# Altium PCB fyFly _cp1.PcbDoc (continued)
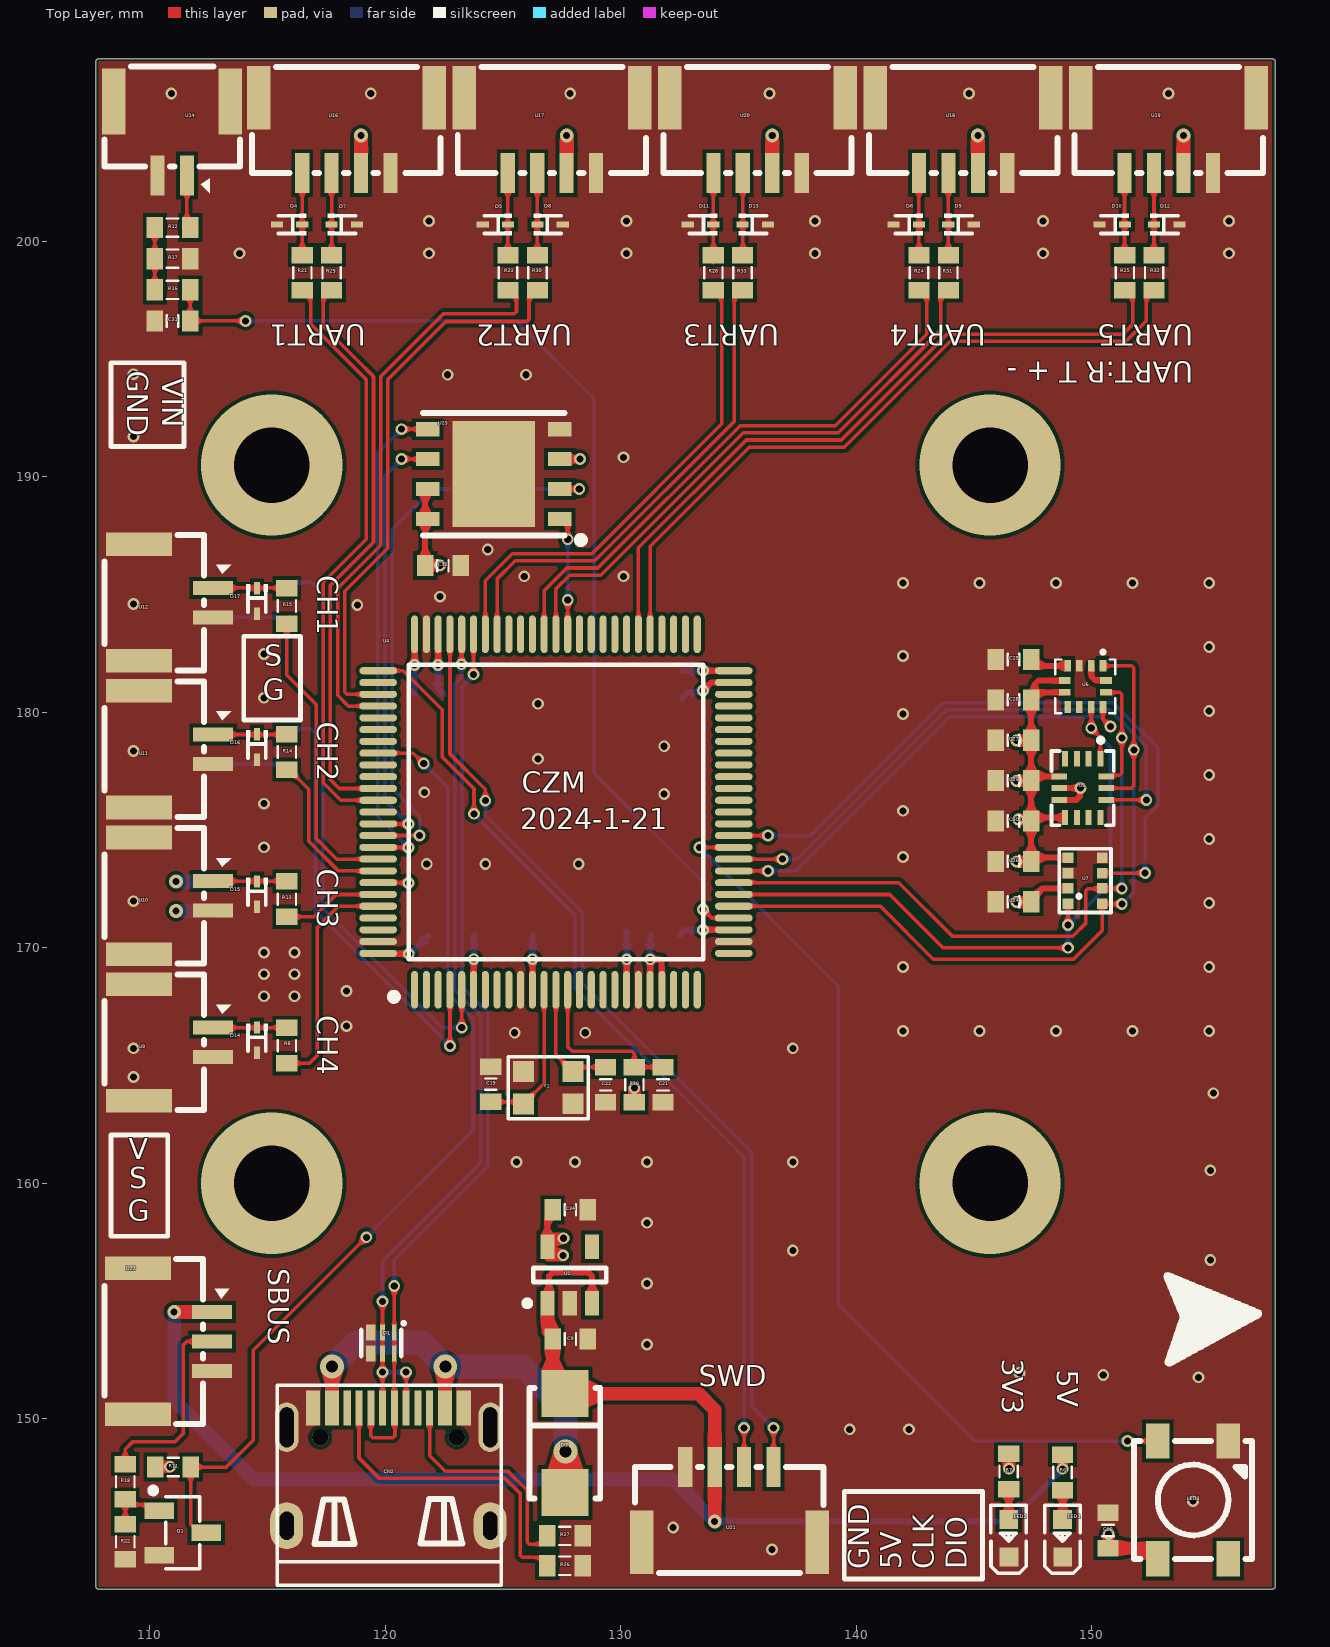
[diagram p0: Top Layer view]
## Components (designator, comment, footprint, x,y, rotation, side; value= is the part's Value field where it differs from the comment)
C9 "1uF" 0603-C 127.864,153.391 r270 top
C10 "100nF" 0603-C 150.698,145.263 r0 top
C11 "10uF" 0603-C 124.054,171.298 r180 bottom
C12 "100nF" 0603-C 130.073,171.298 r180 bottom
C13 "100nF" 0603-C 126.289,171.298 r180 bottom
C14 "100nF" 0603-C 132.512,171.298 r180 bottom
C15 "100nF" 0603-C 120.98,180.035 r0 bottom
C16 "100nF" 0603-C 131.877,181.762 r270 bottom
C17 "100nF" 0603-C 131.293,171.298 r180 bottom
C18 "100nF" 0603-C 121.971,171.298 r180 bottom
C19 "22pF" 0603-C 124.485,164.211 r0 top
C20 "2.2uF" 0603-C 131.877,180.543 r90 bottom
C21 "100nF" 0603-C 131.801,164.186 r180 top
C22 "22pF" 0603-C 129.362,164.186 r180 top
C23 "2.2uF" 0603-C 122.199,180.035 r180 bottom
C24 "100nF" 0603-C 146.685,171.958 r270 top
C25 "100nF" 0603-C 146.685,182.245 r90 top
C26 "100nF" 0603-C 146.685,173.672 r270 top
C27 "1uF" 0603-C 146.685,178.816 r90 top
C28 "100nF" 0603-C 146.685,180.531 r90 top
C29 "10nF" 0603-C 146.685,177.102 r90 top
C30 "10nF" 0603-C 146.685,175.387 r90 top
C31 "100nF" 0603-C 110.973,196.621 r90 top
C32 "100nF" 0603-C 122.453,186.233 r90 top
C34 "1uF" 0603-C 127.864,158.877 r270 top
CN2 "Type-c" "Type-c 16pin" 120.396,147.701 r0 top locked
D1 "ESD-USB-2P" SLP2510P8-2P 119.388,153.22 r180 top
D2 "SS34" SS34-SMA 127.635,148.971 r270 top
D4 "ESD9X5.0ST5G" ESD9X5.0ST5G 115.944,200.711 r180 top
D5 "ESD9X5.0ST5G" ESD9X5.0ST5G 124.682,200.711 r180 top
D6 "ESD9X5.0ST5G" ESD9X5.0ST5G 142.132,200.711 r180 top
D7 "ESD9X5.0ST5G" ESD9X5.0ST5G 118.269,200.711 r0 top
D8 "ESD9X5.0ST5G" ESD9X5.0ST5G 127.007,200.711 r0 top
D9 "ESD9X5.0ST5G" ESD9X5.0ST5G 144.456,200.711 r0 top
D10 "ESD9X5.0ST5G" ESD9X5.0ST5G 150.876,200.711 r180 top
D11 "ESD9X5.0ST5G" ESD9X5.0ST5G 133.394,200.711 r180 top
D12 "ESD9X5.0ST5G" ESD9X5.0ST5G 153.194,200.711 r0 top
D13 "ESD9X5.0ST5G" ESD9X5.0ST5G 135.719,200.711 r0 top
D14 "ESD9X5.0ST5G" ESD9X5.0ST5G 114.554,166.084 r270 top
D15 "ESD9X5.0ST5G" ESD9X5.0ST5G 114.554,172.282 r270 top
D16 "ESD9X5.0ST5G" ESD9X5.0ST5G 114.554,178.53 r270 top
D17 "ESD9X5.0ST5G" ESD9X5.0ST5G 114.554,184.728 r270 top
D18 "ESD9X5.0ST5G" ESD9X5.0ST5G 114.554,178.34 r90 bottom
D19 "ESD9X5.0ST5G" ESD9X5.0ST5G 114.554,184.563 r90 bottom
LED1 "LED" LED-0603 148.768,144.932 r90 top
LED2 "LED" LED-0603 146.482,144.932 r90 top
LED3 "WS2812B-5050" WS2812B-5050 154.305,146.558 r0 top
Q1 "NMOS" SOT23-3M 111.252,145.161 r0 top
R6 "4.7K" 0603-R 148.768,147.726 r0 top
R7 "4.7K" 0603-R 146.478,147.764 r0 top
R8 "1K" 0603-R 115.824,165.849 r180 top
R9 "10K" 0603-R 119.71,173.507 r180 bottom
R10 "10K" 0603-R 130.581,164.186 r0 top
R11 "10K" 0603-R 110.998,147.955 r270 top
R12 "10K" 0603-R 110.973,200.584 r90 top
R13 "1K" 0603-R 115.824,172.072 r180 top
R14 "1K" 0603-R 115.824,178.32 r180 top
R15 "1K" 0603-R 115.824,184.518 r180 top
R16 "1K" 0603-R 110.973,197.942 r90 top
R17 "1K" 0603-R 110.973,199.263 r270 top
R18 "1K" 0603-R 108.966,147.332 r0 top
R19 "1K" 0603-R 115.824,178.55 r180 bottom
R20 "1K" 0603-R 115.824,184.773 r180 bottom
R21 "1K" 0603-R 116.484,198.665 r180 top
R22 "10K" 0603-R 108.966,144.78 r180 top
R23 "1K" 0603-R 125.222,198.665 r180 top
R24 "1K" 0603-R 142.672,198.665 r180 top
R25 "1K" 0603-R 151.409,198.665 r180 top
R26 "5.1K" 0603-R 127.635,143.764 r90 top
R27 "5.1K" 0603-R 127.635,145.034 r90 top
R28 "1K" 0603-R 133.934,198.665 r180 top
R29 "1K" 0603-R 117.729,198.665 r180 top
R30 "1K" 0603-R 126.467,198.665 r180 top
R31 "1K" 0603-R 143.916,198.665 r180 top
R32 "1K" 0603-R 152.654,198.665 r180 top
R33 "1K" 0603-R 135.179,198.665 r180 top
U2 "XC6228D332VR-G" XC6228D332VR-G 127.838,156.108 r90 top
U4 "STM32F407VET6" STM32F407VET6 127.254,175.768 r0 top locked
U5 "ICM-42670-P" ICM42670P 149.622,176.784 r270 top
U6 "LIS3MDLTR" LIS3MDLTR 149.733,181.102 r180 top
U7 "spl06_001" SPL06 149.733,172.847 r90 top
U8 "GH1.25-4P" CONN-SMD_GH1.25-4PWBPZ 111.125,170.942 r270 bottom locked
U9 "GH1.25-2P" GH1.25-2P 111.125,165.989 r270 top locked
U10 "GH1.25-2P" GH1.25-2P 111.125,172.212 r270 top locked
U11 "GH1.25-2P" GH1.25-2P 111.125,178.435 r270 top locked
U12 "GH1.25-2P" GH1.25-2P 111.125,184.658 r270 top locked
U14 "GH1.25-2P" GH1.25-2P 110.958,204.372 r180 top locked
U16 "GH1.25-4P" CONN-SMD_GH1.25-4PWBPZ 118.355,204.495 r0 top locked
U17 "GH1.25-4P" CONN-SMD_GH1.25-4PWBPZ 127.085,204.495 r0 top locked
U18 "GH1.25-4P" CONN-SMD_GH1.25-4PWBPZ 144.543,204.495 r0 top locked
U19 "GH1.25-4P" CONN-SMD_GH1.25-4PWBPZ 153.272,204.495 r0 top locked
U20 "GH1.25-4P" CONN-SMD_GH1.25-4PWBPZ 135.814,204.495 r0 top locked
U21 "GH1.25-4P" CONN-SMD_GH1.25-4PWBPZ 134.62,146.355 r180 top
U22 "GH1.25-3P" GH1.25-3P 111.074,153.289 r270 top locked
U23 "W25Q16" W25QXX_WSON_8_5*6mm 124.612,190.119 r180 top
U24 "GH1.25-2P" GH1.25-2P 111.125,178.435 r90 bottom locked
U26 "GH1.25-2P" GH1.25-2P 111.125,184.658 r90 bottom locked
Y1 "12MHZ" 3225 126.898,164.033 r0 top

## Footprints (in the part's own frame and the unit in brackets; to place one, negate y for a bottom-side part, rotate by r counter-clockwise, add the part's x,y. Pads: shape width x height; smd on the part's side, far side on the other; paste and mask are expansions set on the pad)
0603-C [mm]
  rect 0.9x0.7 smd: 1(0,0.75) 2(0,-0.75)
  silkscreen extent -0.24,-0.24 0.24,0.24, body extent -0.41,-0.8 0.41,0.8, height 0.84
0603-R [mm]
  rect 0.9x0.7 smd: 1(0,0.75) 2(0,-0.75)
  silkscreen extent -0.39,-0.24 0.39,0.24, body extent -0.4,-0.8 0.4,0.8, height 0.45
3225 [mil]
  rect 35x35 smd: 1(-40.24,-25.97) 2(42.36,-25.67) 3(42.16,28.03) 4(-40.44,28.03)
  silkscreen extent -66,-51 68,53, body extent -63,-47 63,51, height 24
CONN-SMD_GH1.25-4PWBPZ [mm]
  rect 0.6x1.7 smd: 1(-1.875,-1.601) 2(-0.625,-1.601) 3(0.625,-1.601) 4(1.875,-1.601)
  rect 1x2.7 smd: 5(-3.725,1.601) 6(3.725,1.601)
  silkscreen extent -4,-1.6 4,2.9, body extent -4.13,-2.05 4.13,2.95, height 4.35
ESD9X5.0ST5G [mm]
  rect 0.52x0.26 smd: 1(-0.54,0) 2(0.54,0)
  silkscreen extent -0.7,-0.45 0.48,0.45
GH1.25-2P [mm]
  rect 0.6x1.7 smd paste+0 mask+0.05: 1(-0.625,1.575) 2(0.625,1.575)
  rect 1x2.8 smd paste+0 mask+0.05: 3(2.475,-1.575) 4(-2.475,-1.575)
  silkscreen extent -2.87,-3.05 2.87,2.34, body extent -2.91,-3.07 2.85,1.93, height 4.35
GH1.25-3P [mm]
  rect 0.6x1.7 smd paste+0 mask+0.05: 1(-1.25,1.575) 2(0,1.575) 3(1.25,1.575)
  rect 1x2.8 smd paste+0 mask+0.05: 4(3.1,-1.575) 5(-3.1,-1.575)
  silkscreen extent -3.5,-3 3.5,2.31, body extent -3.5,-2.88 3.5,2.12, height 4.35
ICM42670P [mm]
  rect 0.65x0.25 smd: 1(-1.25,0.75) 2(-1.25,0.25) 3(-1.25,-0.25) 4(-1.25,-0.75) 8(1.25,-0.75) 9(1.25,-0.25) 10(1.25,0.25) 11(1.25,0.75)
  rect 0.25x0.65 smd: 5(-0.5,-1) 6(0,-1) 7(0.5,-1) 12(0.5,1) 13(0,1) 14(-0.5,1)
  silkscreen extent -2.13,-1.33 1.58,1.33, body extent -1.5,-1.25 1.5,1.25, height 0.87
LED-0603 [mm]
  rect 0.8x0.8 smd: 1(-0.799,-0.003) 2(0.799,0.004)
  silkscreen extent -1.49,-0.75 1.39,0.76
LIS3MDLTR [mm]
  rect 0.28x0.5 smd: 1(-0.75,-0.875) 2(-0.25,-0.875) 3(0.25,-0.875) 4(0.75,-0.875) 7(0.75,0.875) 8(0.25,0.875) 9(-0.25,0.875) 10(-0.75,0.875)
  rect 0.5x0.28 smd: 5(0.875,-0.25) 6(0.875,0.25) 11(-0.875,0.25) 12(-0.875,-0.25)
  silkscreen extent -1.27,-1.53 1.27,1.14, body extent -1,-1 1,1, height 1.02
SLP2510P8-2P [mm]
  rect 0.201x0.681 smd mask+0.051: 1(-1.001,-0.439) 2(-0.5,-0.439) 9(-0.5,0.439) 10(-1.001,0.439)
  rect 0.399x0.681 smd mask+0.051: 3(0,-0.439) 8(0,0.439)
  silkscreen extent -1.44,-0.88 0.41,0.55
SOT23-3M [mm] "SOT23, 3-Leads, Body 2.9x1.3mm, Pitch 0.95mm, Lead Span 2.4mm, IPC Low Density"
  rect 1.25x0.7 smd mask+0.051: 1(-0.847,0.948) 2(-0.847,-0.952) 3(1.153,-0.002)
  silkscreen extent -1.22,-1.53 0.88,1.92, body extent -1.4,-1.45 1.4,1.45, height 1.2
SPL06 [mm]
  rect 0.45x0.45 smd: 1(0.98,-0.713) 2(0.33,-0.713) 3(-0.32,-0.713) 4(-0.97,-0.713) 5(-0.97,0.737) 6(-0.32,0.737) 7(0.33,0.737) 8(0.98,0.737)
  silkscreen extent -1.34,-1.09 1.35,1.11, body extent -1.25,-1 1.25,1, height 0.96
SS34-SMA [mm]
  rect 2x2 smd: 1(2.1,0) 2(-2.1,0)
  silkscreen extent -2.35,-1.5 2.35,1.5, body extent -2.74,-1.38 2.76,1.42, height 2.6
STM32F407VET6 [mm]
  oval 0.3x1.6 smd paste-100 mask+0.051: 1(-6,-7.55) 2(-5.5,-7.55) 3(-5,-7.55) 4(-4.5,-7.55) 5(-4,-7.55) 6(-3.5,-7.55) 7(-3,-7.55) 8(-2.5,-7.55) 9(-2,-7.55) 10(-1.5,-7.55) 11(-1,-7.55) 12(-0.5,-7.55) 13(0,-7.55) 14(0.5,-7.55) 15(1,-7.55) 16(1.5,-7.55) 17(2,-7.55) 18(2.5,-7.55) 19(3,-7.55) 20(3.5,-7.55) 21(4,-7.55) 22(4.5,-7.55) 23(5,-7.55) 24(5.5,-7.55) 25(6,-7.55) 51(6,7.55) 52(5.5,7.55) 53(5,7.55) 54(4.5,7.55) 55(4,7.55) 56(3.5,7.55) 57(3,7.55) 58(2.5,7.55) 59(2,7.55) 60(1.5,7.55) 61(1,7.55) 62(0.5,7.55) 63(0,7.55) 64(-0.5,7.55) 65(-1,7.55) 66(-1.5,7.55) 67(-2,7.55) 68(-2.5,7.55) 69(-3,7.55) 70(-3.5,7.55) 71(-4,7.55) 72(-4.5,7.55) 73(-5,7.55) 74(-5.5,7.55) 75(-6,7.55)
  oval 1.6x0.3 smd paste-100 mask+0.051: 26(7.55,-6) 27(7.55,-5.5) 28(7.55,-5) 29(7.55,-4.5) 30(7.55,-4) 31(7.55,-3.5) 32(7.55,-3) 33(7.55,-2.5) 34(7.55,-2) 35(7.55,-1.5) 36(7.55,-1) 37(7.55,-0.5) 38(7.55,0) 39(7.55,0.5) 40(7.55,1) 41(7.55,1.5) 42(7.55,2) 43(7.55,2.5) 44(7.55,3) 45(7.55,3.5) 46(7.55,4) 47(7.55,4.5) 48(7.55,5) 49(7.55,5.5) 50(7.55,6) 76(-7.55,6) 77(-7.55,5.5) 78(-7.55,5) 79(-7.55,4.5) 80(-7.55,4) 81(-7.55,3.5) 82(-7.55,3) 83(-7.55,2.5) 84(-7.55,2) 85(-7.55,1.5) 86(-7.55,1) 87(-7.55,0.5) 88(-7.55,0) 89(-7.55,-0.5) 90(-7.55,-1) 91(-7.55,-1.5) 92(-7.55,-2) 93(-7.55,-2.5) 94(-7.55,-3) 95(-7.55,-3.5) 96(-7.55,-4) 97(-7.55,-4.5) 98(-7.55,-5) 99(-7.55,-5.5) 100(-7.55,-6)
  silkscreen extent -7.03,-8 6.25,6.25, body extent -8,-8 8,8, height 1.5
"Type-c 16pin" [mm]
  oval 1.4x2 hole 0.6 slot 1.2 at 90 deg: 0(-4.574,-2.239) 0(4.066,-2.239)
  oval 1x2.1 hole 0.6 slot 1.7 at 90 deg: 0(-4.574,1.941) 0(4.066,1.941)
  rect 0.3x1.5 smd: A1(-3.604,2.761) A4(-2.804,2.761) A5(-1.504,2.761) A6(-0.504,2.761) A7(-0.004,2.761) A8(0.996,2.761) A9(2.296,2.761) A12(3.096,2.761) B1(2.796,2.761) B4(1.996,2.761) B5(1.496,2.761) B6(0.496,2.761) B7(-1.004,2.761) B8(-2.004,2.761) B9(-2.504,2.761) B12(-3.304,2.761)
  round 0.7 hole 0.7: D(-3.154,1.511) D(2.646,1.511)
  silkscreen extent -4.97,-4.77 4.53,3.72, body extent -4.75,-4.79 4.19,2.79, height 3.26
W25QXX_WSON_8_5*6mm [mm]
  rect 1x0.6 smd: 1(-2.8,1.905) 2(-2.8,0.635) 3(-2.8,-0.635) 4(-2.8,-1.905) 5(2.8,-1.905) 6(2.8,-0.635) 7(2.8,0.635) 8(2.8,1.905)
  rect 3.5x4.5 smd: 9(0,0)
  silkscreen extent -3.85,-2.6 3,2.95, body extent -3.03,-2.47 2.97,2.53, height 0.7
WS2812B-5050 [mm]
  rect 1x1.5 smd: 1(-1.5,-2.5) 2(1.5,-2.5) 3(1.5,2.5) 4(-1.5,2.5)
  silkscreen extent -2.5,-2.5 2.5,2.5, body extent -2.5,-2.7 2.5,2.7, height 1.57
XC6228D332VR-G [mm] "SOT23, 5-Leads, Body 2.9x1.6mm, Pitch 0.95mm, IPC Medium Density"
  rect 1.05x0.6 smd: 1(-1.2,0.95) 2(-1.2,0) 3(-1.2,-0.95) 4(1.2,-0.95) 5(1.2,0.95)
  silkscreen extent -1.32,-1.55 0.3,1.92, body extent -1.4,-1.45 1.4,1.45, height 1.2

## Part data
C9 C10 C11 C12 C13 C14 C15 C16 C17 C18 C19 C20 C21 C22 C23 C24 C25 C26 C27 C28 C29 C30 C31 C32 C34: library part C, "贴片电容", BOM名称=无极性贴片电容, 联系卖家，免费查找封装=唯一出售店铺网址https://shop463601444.taobao.com
CN2: "U262-161N-4BVC11"
D1: "RClamp0522PATCT", Breakdown Voltage (VBR)=6V, Clamping Voltage@Ipp=15V, JLCPCB Part Class="Extended Part", Junction Capacitance(Cj)@1MHz=0.8pF@1MHz, LCSC Part Name=RClamp0524PATCT, Manufacturer=SEMTECH, Operating Temperature=-55℃~+125℃@(Tj), Peak Pulse Power(Ppp)@8/20us=150W, Reverse Stand-Off Voltage (Vrwm)=5V, Add into BOM=yes, Convert to PCB=yes, Datasheet=https://atta.szlcsc.com/upload/public/pdf/source/20150124/1457707260739.pdf, Device=RClamp0524PATCT_C40960, Manufacturer Part=RClamp0524PATCT, Name=RClamp0524PATCT, Supplier=LCSC, Supplier Footprint=SLP2510P8, Supplier Part=C40960, Symbol=RClamp0524PATCT
D2 LED1 LED2: BOM_JLCPCB Part Class="Extended Part", BOM_Manufacturer="Wuxi ARK Tech Elec", BOM_Manufacturer Part=D-G060306G1-KS2, BOM_Supplier=LCSC, BOM_Supplier Part=C118334, Contributor=LCSC, spicePre=L, spiceSymbolName=D-G060306G1-KS2
D4 D5 D6 D7 D8 D9 D10 D11 D12 D13 D14 D15 D16 D17 D18 D19: JLCPCB Part Class="Extended Part", Manufacturer=MSKSEMI(美森科), Add into BOM=yes, Convert to PCB=yes, Datasheet=https://atta.szlcsc.com/upload/public/pdf/source/20220429/68E9B40153609821FAF30C4C48AA4713.pdf, Device=ESD9X5.0ST5G_C3008066, LCSC Part Name=ESD9X5.0ST5G, Manufacturer Part=ESD9X5.0ST5G, Name=ESD9X5.0ST5G, Supplier=LCSC, Supplier Footprint=SOD-923, Supplier Part=C3008066, Symbol=ESD9X5.0ST5G_C3008066
LED3: Color Temperature=-, Emitted Color=RGB三色, JLCPCB Part Class="Extended Part", LCSC Part Name="RGB三色 正贴 幻彩", Lens Color=无色透明, Manufacturer=XINGLIGHT(成兴光), Manufacturer Part=XL-5050RGBC-WS2812B, Operating Temperature=-30℃~+70℃, Add into BOM=yes, Convert to PCB=yes, Datasheet=https://atta.szlcsc.com/upload/public/pdf/source/20230111/86AAD2096485A2E5BCAB883FF8CBE6FD.pdf, Device=XL-5050RGBC-WS2812B, Diode Configuration=-, Dominant Wavelength=-, Forward Current=-, Mounting Sytle=正贴, Name=XL-5050RGBC-WS2812B, Peak Wavelength=625nm；470nm；530nm, Power Dissipation=-, Supplier=LCSC, Supplier Footprint=SMD5050, Supplier Part=C2843785, Symbol=XL-5050RGBC-WS2812B, Viewing Angle=120°
Q1: library part AO3400, "N沟道 30V/4.2A", BOM名称=场效应管, 参数="N沟道 30V/4.2A", 联系卖家，免费查找封装=唯一出售店铺网址https://shop463601444.taobao.com
R6 R7 R8 R9 R10 R11 R12 R13 R14 R15 R16 R17 R18 R19 R20 R21 R22 R23 R24 R25 R26 R27 R28 R29 R30 R31 R32 R33: library part R, "贴片电阻", BOM名称=贴片电阻, 联系卖家，免费查找封装=唯一出售店铺网址https://shop463601444.taobao.com
U2: "输出类型：固定 输出极性：正 输出通道数：1 最大输入电压：5.5V 输出电压：3.3V 压差：305mV@(300mA) 输出电流：300mA 电源纹波抑制比(PSRR)：80dB@(1kHz) 3.3V固定输出，Iout=300mA，Vin=5.5V(Max)", BOM_JLCPCB Part Class="Extended Part", BOM_Manufacturer=TOREX, BOM_Manufacturer Part=XC6228D332VR-G, BOM_Supplier=LCSC, BOM_Supplier Part=C69841, spicePre=U, spiceSymbolName=XC6228D332VR-G
U4: JLCPCB Part Class="Extended Part", Low-Voltage Detect=有, Manufacturer=ST(意法半导体), Operating Temperature Range=-40℃~+85℃, Operating Voltage Range=1.8V~3.6V, ADC (Bit)=12bit, Add into BOM=yes, CCP Capture/Compare=-, communication protocol=-, Convert to PCB=yes, CPU Core="ARM Cortex-M4", CPU Maximum Speed=168MHz, DAC (Bit)=12bit, Datasheet=https://atta.szlcsc.com/upload/public/pdf/source/20140801/1457707197138.pdf, Device=STM32F407VET6, Direct Memory Access=有, EEPROM=-, GPIO Ports Number=82, image=http://image.lceda.cn/szlcsc/C28730.jpg, Infrared Data Association=有, Internal Comparator=-, Internal Oscillator=有, LCD Module=有, LCSC Part Name=STM32F407VET6, Manufacturer Part=STM32F407VET6, Name=STM32F407VET6, Peripheral/Function=DMA；LCD/LED驱动；PWM, Program Memory Type=FLASH, Program Storage Size=512KB, PWM (Bit)=-, RAM Size=192KB, Real-Time Clock=-, Secure Digital Input and Output=-, Supplier=LCSC, Supplier Footprint=LQFP-100(14x14), Supplier Part=C28730, Symbol=STM32F407VET6, tags=STM32, Universal Serial Bus=有, Watchdog=有
U5: JLCPCB Part Class=扩展库, Manufacturer="TDK InvenSense(应美盛)", Operating Temperature=-40℃~+85℃, Add into BOM=yes, Convert to PCB=yes, Datasheet=/pdf/applyPasteComponent/2023-06-06/453894A/f777f4f41a0e4ea2b93b88a9675b1ac5/ICM-42670-P.pdf, Device=ICM-42670-P, LCSC Part Name=ICM-42670-P, Manufacturer Part=ICM-42670-P, Name=ICM-42670-P, Sensor Type=加速度计陀螺仪, Supplier=LCSC, Supplier Footprint=LGA-14(2.5x3), Supplier Part=C3288646, Symbol=ICM-42670-P
U6: JLCPCB Part Class="Extended Part", LCSC Part Name=三轴数字磁传感器, Manufacturer=ST(意法半导体), Operating Temperature=-40℃~+85℃, supply voltage=1.9V~3.6V, Add into BOM=yes, Convert to PCB=yes, Datasheet=https://atta.szlcsc.com/upload/public/pdf/source/20191231/C478483_325C07DDDEF2D93C2E541FB70AD6AC5C.pdf, Device=LIS3MDLTR, Manufacturer Part=LIS3MDLTR, Supplier=LCSC, Supplier Footprint=LGA-12(2x2), Supplier Part=C478483, Symbol=LIS3MDLTR
U7: library part SPL06_001, "气压计"
U8 U16 U17 U18 U19 U20 U21: "GH1.25-4PWBPZ", BOM_Manufacturer=BOOMELE(博穆精密), BOM_Manufacturer Part=GH1.25-4PWBPZ, BOM_Supplier=LCSC, BOM_Supplier Part=C2829253, Contributor=LCSC, spicePre=U, spiceSymbolName=GH1.25-4PWBPZ
U9 U10 U11 U12 U14 U24 U26: Current Rating (Max)=1A, LCSC Part Name=BX-GH1.25-2PWT, Manufacturer=Bossie(博锡), Operating Temperature Range=-25℃~+85℃, Add into BOM=yes, Contact Material=磷铜, Contact Plating=锡, Convert to PCB=yes, Datasheet=https://atta.szlcsc.com/upload/public/pdf/source/20231017/25DD0A5C9398B9B8D9D2789B9E1BDAD3.pdf, Device=BX-GH1.25-2PWT, Manufacturer Part=BX-GH1.25-2PWT, Mounting Style=卧贴, Number of Pins=2P, Number of PINs Per Row=2, Number of Rows=1, Pins Structure=1x2P, Pitch=1.25mm, Reference Series=GH, Row Spacing=-, Supplier=LCSC, Supplier Footprint=SMD,P=1.25mm,卧贴, Supplier Part=C18077718, Symbol=BX-GH1.25-2PWT
U22: Current Rating (Max)=1A, LCSC Part Name=BX-GH1.25-3PWT, Manufacturer=Bossie(博锡), Operating Temperature Range=-25℃~+85℃, Add into BOM=yes, Contact Material=磷铜, Contact Plating=锡, Convert to PCB=yes, Datasheet=https://atta.szlcsc.com/upload/public/pdf/source/20231017/A589687BD41735CD2F726065058FB819.pdf, Device=BX-GH1.25-3PWT, Manufacturer Part=BX-GH1.25-3PWT, Mounting Style=卧贴, Number of Pins=3P, Number of PINs Per Row=3, Number of Rows=1, Pins Structure=1x3P, Pitch=1.25mm, Reference Series=GH, Row Spacing=-, Supplier=LCSC, Supplier Footprint=SMD,P=1.25mm,卧贴, Supplier Part=C18077719, Symbol=BX-GH1.25-3PWT
U23: library part W25Q256, BOM_JLCPCB Part Class="Extended Part", BOM_Manufacturer=WINBOND(华邦), BOM_Manufacturer Part=W25Q256JVEIQ, BOM_Supplier=LCSC, BOM_Supplier Part=C2682312, Contributor=LCSC, spicePre=U, spiceSymbolName=W25Q256JVEIQ
Y1: library part Y, "无源晶振"

## Via types
v1: diameter 0.5, hole 0.3, Top Layer to Bottom Layer, tented both sides, 160 vias
v2: diameter 0.584, hole 0.3, Top Layer to Bottom Layer, tented both sides, 9 vias
v3: diameter 6, hole 3.2, Top Layer to Bottom Layer, 4 vias
v4: diameter 1.016, hole 0.508, Top Layer to Bottom Layer, tented both sides, 3 vias

## Nets (pads, with @x,y where several pads share a name; then routed paths per layer and width w, separated by ;. In a path a pad name is that pad's centre, name@x,y a point inside that pad or via, vN(x,y) a via of type N, cw(c..) or ccw(c..) an arc to the next point about the centre after c; other vN are vias at no path point)
BOOT0: R9.2 U4.94 | length 2.4
  Top Layer w0.152: U4.94 119.71,172.763 120.991,172.763 v1(120.997,172.757)
  Bottom Layer w0.152: R9.2@119.81,172.757 R9.2@119.857,172.71 ; R9.2@119.947,172.757 v1(120.997,172.757)
GND: C9.1 C10.1 C11.1 C12.1 C13.1 C14.1 C15.1 C16.1 C17.1 C18.1 C19.1 C20.2 C21.1 C22.1 C23.2 C24.2 C25.1 C26.2 C27.1 C28.1 C29.1 C30.1 C31.1 C32.2 C34.1 CN2.0 CN2.A1 CN2.A12 CN2.B1 CN2.B12 D1.3 D1.8 D4.2 D5.2 D6.2 D7.2 D8.2 D9.2 D10.2 D11.2 D12.2 D13.2 D14.2 D15.2 D16.2 D17.2 D18.2 D19.2 LED1.1 LED2.1 LED3.3 Q1.2 R9.1 R17.1 R22.1 R26.2 R27.2 U2.2 U4.10 U4.20 U4.27 U4.74 U4.99 U5.6 U5.7 U6.2 U6.3 U6.12 U7.1 U7.7 U8.3 U8.4 U8.5 U8.6 U9.2 U9.3 U9.4 U10.2 U10.3 U10.4 U11.2 U11.3 U11.4 U12.2 U12.3 U12.4 U14.2 U14.3 U14.4 U16.4 U16.5 U16.6 U17.4 U17.5 U17.6 U18.4 U18.5 U18.6 U19.4 U19.5 U19.6 U20.4 U20.5 U20.6 U21.4 U21.5 U21.6 U22.3 U22.4 U22.5 U23.4 U23.9 U24.2 U24.3 U24.4 U26.2 U26.3 U26.4 Y1.2 Y1.4 | length 3.4
  Top Layer w0.254: U5.7 149.348,176.284 149.497,176.433 149.497,176.751 v1(149.53,176.784) U5.6 ; U6.2 149.996,181.964 149.996,181.514 150.145,181.365 150.595,181.365 U6.12
  other v1: 136.423,144.45 132.232,145.39 154.305,146.507 139.725,149.555 142.24,149.555 154.534,151.765 150.495,151.867 146.939,151.943 131.115,153.162 131.115,155.744 155.042,156.743 137.312,157.15 131.115,158.327 155.042,160.553 125.578,160.909 128.067,160.909 131.115,160.909 137.312,160.909 155.169,163.83 109.322,164.516 109.322,165.735 137.312,165.735 125.501,166.395 128.499,166.395 141.986,166.472 145.237,166.472 148.488,166.472 151.74,166.472 154.991,166.472 118.364,166.675 114.859,167.945 116.154,167.945 118.364,168.173 114.859,168.885 116.154,168.885 141.986,169.189 154.991,169.189 114.859,169.799 116.154,169.799 154.991,171.907 109.322,171.983 121.768,173.558 124.257,173.558 128.219,173.558 141.986,173.863 114.859,174.269 154.991,174.625 141.986,175.819 114.859,176.124 131.851,176.53 121.666,176.606 154.991,177.343 126.492,178.029 109.322,178.359 131.851,178.562 141.986,179.934 154.991,180.061 126.492,180.365 114.859,180.619 141.986,182.397 114.859,182.474 154.991,182.778 118.821,184.556 109.322,184.607 122.326,184.912 141.986,185.496 145.237,185.496 148.488,185.496 151.74,185.496 154.991,185.496 125.908,185.776 130.124,185.776 124.358,186.919 130.124,190.83 109.322,191.719 122.657,194.335 125.984,194.335 109.322,194.361 113.817,199.492 121.869,199.492 130.251,199.492 138.252,199.492 147.93,199.492 155.829,199.492 121.869,200.863 130.251,200.863 138.252,200.863 147.93,200.863 155.829,200.863 110.922,206.273 119.39,206.273 127.859,206.273 136.327,206.273 144.795,206.273 153.264,206.273
ICM42670P_CS: U4.34 U5.12 | length 24.8
  Top Layer w0.152: U4.34 v1(136.874,173.768) ; U5.12 v1(152.324,176.284)
  Bottom Layer w0.152: v1(136.874,173.768) 137.496,173.768 143.84,180.111 150.765,180.111 152.324,178.553 v1(152.324,176.284)
LIS3MD_CS: U4.33 U6.10 | length 19.8
  Top Layer w0.152: U4.33 v1(136.26,173.268) ; U6.10 150.483,179.717 v1(150.8,179.4)
  Bottom Layer w0.152: v1(136.26,173.268) 137.427,173.268 143.966,179.807 150.393,179.807 v1(150.8,179.4)
NetC1_1: 
NetC1_2: 
NetC8_1: 
NetC8_2: 
NetC25_2: C25.2 U6.4 | length 1.7
  Top Layer w0.254: C25.2 147.435,182.2 147.658,181.977 U6.4
NetCN2_A5: CN2.A5 R26.1 | length 13.6
  Top Layer w0.152: CN2.A5 118.892,148.341 119.761,147.472 125.095,147.472 125.73,146.837 125.73,144.209 125.819,144.12 126.611,144.12 126.885,143.846 R26.1
NetCN2_B5: CN2.B5 R27.1 | length 10.1
  Top Layer w0.152: CN2.B5 121.892,148.44 122.555,147.777 125.044,147.777 125.221,147.777 126.035,146.964 126.035,146.787 126.035,144.768 126.124,144.678 126.611,144.678 126.885,144.952 R27.1
NetD4_1: D4.1 R21.2 U16.1 | length 3.5
  Top Layer w0.152: U16.1 116.48,199.42 R21.2
NetD5_1: D5.1 R23.2 U17.1 | length 3.6
  Top Layer w0.152: U17.1 125.21,199.326 R23.2@125.222,199.314
NetD6_1: D6.1 R24.2 U18.1 | length 3.5
  Top Layer w0.152: U18.1 142.668,199.419 R24.2
NetD7_1: D7.1 R29.2 U16.2 | length 3.5
  Top Layer w0.152: R29.2 R29.2 U16.2
NetD8_1: D8.1 R30.2 U17.2 | length 3.6
  Top Layer w0.152: U17.2 126.459,199.321 R30.2@126.467,199.314
NetD9_1: D9.1 R31.2 U18.2 | length 3.5
  Top Layer w0.152: R31.2 143.918,199.417 U18.2
NetD10_1: D10.1 R25.2 U19.1 | length 3.5
  Top Layer w0.152: U19.1 151.397,199.427 R25.2
NetD11_1: D11.1 R28.2 U20.1 | length 3.8
  Top Layer w0.152: R28.2@133.934,199.085 133.939,199.09 U20.1
NetD12_1: D12.1 R32.2 U19.2 | length 3.5
  Top Layer w0.152: U19.2 152.647,199.422 R32.2
NetD13_1: D13.1 R33.2 U20.2 | length 3.5
  Top Layer w0.152: R33.2 135.189,199.425 U20.2
NetD14_1: D14.1 R8.2 U9.1 | length 3.1
  Top Layer w0.152: U9.1 115.809,166.614 R8.2
NetD15_1: D15.1 R13.2 U10.1 | length 3.1
  Top Layer w0.152: U10.1 115.809,172.837 R13.2
NetD16_1: D16.1 R14.2 U11.1 | length 3.1
  Top Layer w0.152: U11.1 115.814,179.06 R14.2
NetD17_1: D17.1 R15.2 U12.1 | length 3.1
  Top Layer w0.152: U12.1 115.809,185.283 R15.2
NetD18_1: D18.1 R19.2 U24.1 | length 3.1
  Bottom Layer w0.152: U24.1 115.814,177.81 R19.2
NetD19_1: D19.1 R20.2 U26.1 | length 3.1
  Bottom Layer w0.152: U26.1 115.814,184.033 R20.2
NetLED1_2: LED1.2 R6.2 | length 1.2
  Top Layer w0.254: LED1.2 148.768,145.735 R6.2
NetLED2_2: LED2.2 R7.2 | length 1.3
  Top Layer w0.254: LED2.2 R7.2
NetQ1_1: Q1.1 R18.2 R22.2 | length 2.7
  Top Layer w0.152: R22.2 R18.2 109.193,146.355 110.159,146.355 Q1.1
NetR1_1: 
NetR12_1: R12.1 R16.1 R17.2 | length 2.6
  Top Layer w0.152: R16.1 R17.2 R12.1
NRST: C21.2 R10.1 U4.14 | length 7.2
  Top Layer w0.152: U4.14 127.754,165.794 127.94,165.608 130.492,165.608 130.581,165.519 R10.1 ; R10.1@130.632,164.936 C21.2@131.851,164.936
OSC_IN: C19.2 U4.12 Y1.1 | length 6.6
  Top Layer w0.152: C19.2 125.789,163.461 Y1.1 126.754,164.252 U4.12
OSC_OUT: C22.2 U4.13 Y1.3 | length 5.3
  Top Layer w0.152: U4.13 127.254,165.46 Y1.3 128.16,164.936 C22.2@129.413,164.936
powerInput: C31.2 R16.2 U4.29 | length 44.9
  Top Layer w0.152: R16.2 C31.2 v1(114.071,196.621) ; v1(133.502,171.628) 133.862,171.268 U4.29
  Bottom Layer w0.152: v1(114.071,196.621) 125.578,196.621 128.88,193.319 128.88,177.406 133.502,172.783 v1(133.502,171.628)
RGB_DATA: LED3.4 U4.35 | length 39.3
  Top Layer w0.152: v1(133.348,174.268) U4.35 ; v1(151.526,149.058) LED3.4
  Bottom Layer w0.152: v1(133.348,174.268) 139.243,168.373 139.243,154.838 145.023,149.058 v1(151.526,149.058)
SBUS_IN: R18.1 U22.2 | length 8.4
  Top Layer w0.152: R18.1 108.966,148.717 109.271,149.022 111.074,149.022 111.43,149.377 111.43,153.137 111.582,153.289 U22.2
SPI1_MISO: U4.31 U5.1 U6.9 U7.5 | length 28.8
  Top Layer w0.152: U4.31 141.422,172.268 143.688,170.002 v1(148.996,170.002) ; v1(148.996,170.967) U7.5 ; U6.9 v1(149.983,179.328) 150.368,178.943 150.368,178.038 U5.1
  Bottom Layer w0.152: v1(148.996,170.002) v1(148.996,170.967) 150.8,172.771 150.8,178.511 v1(149.983,179.328)
SPI1_MOSI: U4.32 U5.14 U6.11 U7.3 | length 30.2
  Top Layer w0.152: U4.32 141.811,172.768 144.09,170.489 149.195,170.489 149.758,171.053 149.758,172.421 149.848,172.51 150.429,172.51 U7.3 150.452,172.522 151.277,172.522 v1(151.282,172.517) ; U6.11 151.193,180.852 151.282,180.763 151.282,177.422 151.193,177.333 150.671,177.333 U5.14
  Bottom Layer w0.152: v1(151.282,172.517) v1(151.282,178.918)
SPI1_SCK: U4.30 U5.13 U6.1 U7.4 | length 33.4
  Top Layer w0.152: U4.30 141.033,171.768 143.277,169.524 149.229,169.524 150.446,170.741 U7.4 150.454,171.869 151.295,171.869 151.303,171.862 v1@151.303,171.851 ; U6.1 151.701,181.977 151.79,181.888 151.79,176.883 151.692,176.784 U5.13
  Bottom Layer w0.152: v1@151.303,171.862 151.304,171.862 151.79,172.348 v1(151.79,178.41)
  other v1: 151.282,171.862
SPI3_MISO: U4.90 U23.2 | length 24.7
  Top Layer w0.152: U4.90 119.709,174.773 121.458,174.773 v1(121.463,174.777) ; U23.2 v1(128.245,189.484)
  Bottom Layer w0.152: v1(121.463,174.777) 121.475,174.79 121.475,175.578 120.302,176.751 120.302,187.764 122.022,189.484 v1(128.245,189.484)
SPI3_MOSI: U4.91 U23.5 | length 21.1
  Top Layer w0.152: U4.91 v1@120.986,174.268 ; v1(120.701,192.024) U23.5
  Bottom Layer w0.152: v1(120.701,192.024) 119.692,191.015 119.692,175.562 v1(120.997,174.257)
SPI3_SCK: U4.89 U23.6 | length 18.6
  Top Layer w0.152: U4.89 v1@120.986,175.268 ; v1(120.701,190.754) U23.6
  Bottom Layer w0.152: v1(120.701,190.754) 119.997,190.05 119.997,176.257 v1(120.997,175.257)
SPL06_CS: U4.36 U7.2 | length 28.5
  Top Layer w0.152: U4.36 v1(136.26,174.768) ; U7.2 v1(152.273,173.177)
  Bottom Layer w0.152: v1(136.26,174.768) 138.065,174.768 143.713,180.416 150.892,180.416 152.802,178.505 152.802,176.043 152.273,175.514 v1(152.273,173.177)
SWCLK: U4.76 U21.2 | length 40.9
  Top Layer w0.152: U4.76 120.771,181.768 122.428,180.111 122.428,178.105 123.774,176.759 v1(123.774,175.692) ; U21.2 v1(135.245,149.621)
  Bottom Layer w0.152: v1@123.774,175.686 126.833,172.626 128.067,171.393 128.067,168.289 135.245,161.11 v1(135.245,149.621)
SWDIO: U4.72 U21.1 | length 41.1
  Top Layer w0.152: U4.72 122.754,178.236 124.257,176.733 v1(124.257,176.251) ; U21.1 v1(136.495,149.621)
  Bottom Layer w0.152: v1(124.257,176.251) 124.257,175.634 128.372,171.519 128.372,168.504 135.56,161.316 135.56,150.557 v1(136.495,149.621)
TIM4_CH1: R15.1 U4.92 | length 12.6
  Top Layer w0.152: R15.1 115.824,181.585 117.069,180.34 117.069,174.65 117.95,173.768 U4.92
TIM4_CH2: R14.1 U4.93 | length 7
  Top Layer w0.152: R14.1 115.924,177.57 116.764,176.73 116.764,174.523 118.019,173.268 U4.93
TIM4_CH3: R13.1 U4.95 | length 4.3
  Top Layer w0.152: R13.1 116.966,171.322 117.912,172.268 U4.95
TIM4_CH4: R8.1 U4.96 | length 9.8
  Top Layer w0.152: R8.1 116.788,165.099 117.119,165.43 117.119,170.866 118.022,171.768 U4.96
TIM9_CH1: R19.1 U4.4 | length 19.3
  Top Layer w0.152: U4.4 122.756,168.216 v1(122.756,165.839)
  Bottom Layer w0.152: R19.1 116.839,179.3 117.043,179.095 117.043,171.552 v1(122.756,165.839)
TIM9_CH2: R20.1 U4.5 | length 24.7
  Top Layer w0.152: v1(123.254,166.612) U4.5
  Bottom Layer w0.152: R20.1 116.864,185.523 117.348,185.039 117.348,171.679 122.415,166.612 v1(123.254,166.612)
UART1_RX: R28.1 U4.69 | length 20.7
  Top Layer w0.152: U4.69 124.254,185.594 125.401,186.741 128.782,186.741 134.29,192.249 134.29,197.642 134.154,197.777 R28.1@134.099,197.777
UART1_TX: R33.1 U4.68 | length 20.8
  Top Layer w0.152: U4.68 124.754,185.663 125.527,186.436 128.908,186.436 134.823,192.351 R33.1@134.823,197.942
UART2_RX: R21.1 U4.87 | length 25.5
  Top Layer w0.152: R21.1 116.566,197.915 116.84,197.642 116.84,196.494 119.202,194.132 119.202,187.35 117.373,185.522 117.373,177.013 118.119,176.268 U4.87
UART2_TX: R29.1 U4.86 | length 24.9
  Top Layer w0.152: R29.1@117.805,197.915 117.647,197.915 117.373,197.642 117.373,196.392 118.794,194.971 119.507,194.258 119.507,187.224 118.794,186.511 117.678,185.395 117.678,177.14 118.05,176.768 U4.86
UART3_RX: R25.1 U4.56 | length 30.2
  Top Layer w0.152: U4.56 130.754,186.989 135.332,191.567 139.371,191.567 143.866,196.063 151.334,196.063 151.74,196.468 151.74,197.642 151.466,197.915 R25.1
UART3_TX: R32.1 U4.55 | length 30.2
  Top Layer w0.152: U4.55 131.254,187.058 135.458,191.262 139.497,191.262 143.993,195.758 151.46,195.758 152.324,196.621 152.324,197.642 152.445,197.763 R32.1@152.654,197.763
UART4_RX: R23.1 U4.79 | length 24.2
  Top Layer w0.152: U4.79 118.436,180.268 117.983,180.721 117.983,185.269 119.812,187.098 119.812,194.259 122.479,196.926 125.488,196.926 125.578,197.015 125.578,197.642 125.304,197.915 R23.1
UART4_TX: R30.1 U4.78 | length 24
  Top Layer w0.152: U4.78 118.377,180.768 118.288,180.857 118.288,185.143 120.117,186.972 120.117,194.133 122.58,196.596 126.022,196.596 126.111,196.685 126.111,197.642 126.283,197.814 R30.1@126.517,197.814
UART5_RX: Q1.3 R11.1 U4.83 | length 41.9
  Top Layer w0.152: Q1.3 112.131,145.433 111.837,145.433 111.748,145.522 R11.1 113.259,147.955 114.402,149.098 114.402,152.908 v1(119.202,157.709) ; U4.83 121.198,178.268 v1(121.641,177.825)
  Bottom Layer w0.152: v1(119.202,157.709) 123.733,162.239 123.733,166.997 122.657,168.073 122.657,176.809 v1(121.641,177.825)
UART6_RX: R24.1 U4.64 | length 24.6
  Top Layer w0.152: U4.64 126.754,185.174 127.711,186.131 129.034,186.131 135.079,192.176 139.118,192.176 143.002,196.06 143.002,197.642 142.728,197.915 R24.1
UART6_TX: R31.1 U4.63 | length 24.7
  Top Layer w0.152: U4.63 127.254,185.243 127.837,185.826 129.16,185.826 135.206,191.872 139.244,191.872 143.586,196.214 143.586,197.642 143.86,197.915 R31.1
USB_FS_D+: CN2.A6 CN2.B6 D1.2 D1.9 U4.71 | length 37.7
  Top Layer w0.152: v1(119.888,154.991) D1.2 119.89,153.658 v1(119.89,151.982) 119.89,150.464 CN2.A6 ; CN2.B6 v1(120.892,151.982) ; v1(123.241,182.042) 123.247,182.048 123.247,183.311 U4.71
  Bottom Layer w0.152: v1(119.888,154.991) 119.888,156.692 124.054,160.857 124.054,167.131 123.773,167.412 123.749,167.412 122.961,168.2 122.961,181.204 123.241,181.483 v1(123.241,182.042) ; v1(119.89,151.982) v1(120.892,151.982)
USB_FS_D-: CN2.A7 CN2.B7 D1.1 D1.10 U4.70 | length 38.6
  Top Layer w0.152: CN2.B7 119.392,149.289 119.481,149.2 120.332,149.2 120.421,149.289 120.421,150.433 CN2.A7 120.39,150.464 120.39,153.658 D1.1 v1(120.388,155.644) ; v1(123.754,181.615) U4.70
  Bottom Layer w0.152: v1(120.388,155.644) 120.388,156.761 124.358,160.731 124.358,167.258 123.266,168.35 123.266,181.077 123.754,181.565 v1(123.754,181.615)
VCAP1: C20.1 U4.49 | length 2.5
  Top Layer w0.254: v1(133.502,180.924) 133.846,181.268 U4.49
  Bottom Layer w0.254: C20.1 132.627,180.643 132.85,180.866 133.378,180.866 133.436,180.924 v1(133.502,180.924)
VCAP2: C23.1 U4.73 | length 2.6
  Top Layer w0.254: v1@122.254,182.026 U4.73
  Bottom Layer w0.254: v1(122.245,182.016) 122.245,181.008 122.468,180.785 C23.1@122.479,180.785
VCC-3.3V#1: C11.2 C12.2 C13.2 C14.2 C15.2 C16.2 C17.2 C18.2 C24.1 C26.1 C27.2 C28.2 C29.2 C30.2 C32.1 C34.2 R7.1 R10.2 R11.2 U2.5 U4.6 U4.11 U4.19 U4.21 U4.22 U4.28 U4.50 U4.75 U4.100 U5.5 U5.8 U6.5 U6.6 U7.6 U7.8 U23.3 U23.7 U23.8 | length 50.8
  Top Layer w0.152: C29.2@147.526,177.193 C29.2@147.617,177.284
  Top Layer w0.254: U4.100 119.713,169.759 120.995,169.759 v1(121.006,169.748) ; v1@121.254,182.026 U4.75 ; C32.1 121.703,189.375 U23.7 ; U4.6@123.759,168.223 v1@123.759,169.515 ; U4.11 126.259,168.223 126.259,169.515 v1(126.263,169.52) ; U2.5 126.888,158.552 127.114,158.777 C34.2 ; U23.3 v1(128.27,190.754) ; U4.19 v1@130.254,169.51 ; U4.21 v1@131.254,169.51 ; v1(131.259,169.515) 131.745,169.515 131.745,168.227 U4.22 ; v1(133.502,170.764) 133.504,170.766 U4.28 U4.28 ; v1@133.507,181.773 U4.50@134.799,181.773 ; C26.1@147.422,173.66 C26.1 ; C24.1 147.435,172.058 147.904,172.527 U7.6 ; C29.2 C30.2 ; C29.2@147.435,177.284 C27.2 C28.2 147.593,180.689 C28.2@147.593,180.787 ; C29.2@147.617,177.284 U5.5 ; U6.6 147.658,180.852 C28.2@147.593,180.787 ; U6.5 147.742,181.352 147.593,181.203 C28.2@147.593,180.787 ; U5.8 147.582,175.534 C30.2 ; U7.8 147.59,173.827 C26.1 ; C26.1 C30.2
  Top Layer w0.508: R11.2@110.261,147.968 v1(110.871,147.968) ; C32.1@121.716,186.245 v1(122.326,186.245) ; U2.5@126.949,156.947 v1(127.559,156.947) ; U2.5@126.962,157.671 v1(127.572,157.671) ; R10.2 v1(130.581,164.046) ; v1(146.491,147.891) R7.1@146.491,148.501 ; v1(146.812,171.945) C24.1@147.422,171.945 ; v1(146.812,173.66) C26.1@147.422,173.66 ; v1(146.812,177.089) C29.2@147.422,177.089 ; v1(146.812,178.803) C27.2@147.422,178.803 ; v1(146.885,175.448) C30.2@147.496,175.448
  MID1 w0.508: v1(110.871,147.968) 112.128,147.968 112.141,147.98
  Bottom Layer w0.254: v1(121.006,169.748) 121.071,169.748 C18.2@121.844,170.521 ; v1(121.245,182.016) 121.245,180.8 C15.2@121.26,180.785 ; v1(123.763,169.52) 123.763,170.511 C11.2@123.8,170.548 ; v1(126.263,169.52) 126.263,170.522 C13.2 ; v1(130.259,169.515) C12.2@130.259,170.706 ; v1(131.259,169.515) 131.259,170.514 C17.2 ; C14.2 132.728,170.764 v1(133.502,170.764) ; C16.2 132.642,181.777 v1(133.502,181.777)
VCC-5.0V#1: C9.2 D2.2 R6.1 U2.1 U2.3 U8.1 U8.2 U16.3 U17.3 U18.3 U19.3 U20.3 U21.3 U22.1 | length 170.2
  Top Layer w0.254: U2.1 126.96,154.98 126.96,156.061 127.109,156.21 128.639,156.21 128.788,156.061 U2.3 ; D2.2@127.114,151.592 D2.2 ; v1(148.768,147.879) R6.1
  Top Layer w0.508: U2.1 126.888,153.716 127.114,153.491 D2.2@127.114,151.592
  Top Layer w0.584: v2(111.043,154.539) U22.1 ; U16.3 v2(118.98,204.5) ; D2.2 133.307,151.071 133.995,150.383 U21.3 v2(133.995,145.644) ; U17.3 v2(127.71,204.5) ; U20.3 v2(136.439,204.5) ; U18.3 v2(145.168,204.5) ; U19.3 v2(153.897,204.5)
  MID1 w1.168: v2(111.043,154.539) 111.043,203.816 111.728,204.5 v2(118.98,204.5) v2(127.71,204.5) v2(136.439,204.5) v2(145.168,204.5) v2(153.897,204.5)
  Bottom Layer w0.254: v2(133.995,145.644) 146.533,145.644 v1(148.768,147.879)
  Bottom Layer w0.584: v2(111.043,154.539) 111.043,150.805 114.427,147.422 132.217,147.422 v2(133.995,145.644) ; v2(111.12,171.567) U8.2 ; v2(111.12,172.817) U8.1
VCC-5.0V_OUT: 
VCC_5.0V#1: C10.2 LED3.1 | length 3
  Top Layer w0.508: v1(150.724,145.11) 150.724,144.538 C10.2 152.432,144.513 152.805,144.14 LED3.1
VIN: 
VIN-USB: CN2.A4 CN2.A9 CN2.B4 CN2.B9 D2.1 | length 21.1
  Top Layer w0.305: CN2.A4 117.592,152.059 v4(117.753,152.22) 117.887,152.085 CN2.B9@117.887,151.058 ; CN2.B4 122.394,150.465 122.394,152.062 v4(122.555,152.222) 122.69,152.088 CN2.A9@122.69,151.06
  Top Layer w1.016: D2.1 127.66,146.896 v4(127.66,148.615)
  Bottom Layer w1.016: v4(117.753,152.22) 118.771,153.238 121.539,153.238 v4(122.555,152.222) 125.832,152.222 127.66,150.393 v4(127.66,148.615)
VIN_ADC: R12.2 U14.1 | length 2.3
  Top Layer w0.152: U14.1 111.583,200.723 R12.2
VIN_GND: 
W25Q16_CS: U4.62 U23.1 | length 5.1
  Top Layer w0.152: U23.1 127.53,188.214 127.754,187.99 v1(127.754,187.35) ; U4.62 v1(127.754,184.777)
  Bottom Layer w0.152: v1(127.754,184.777) v1(127.754,187.35)
pads on no net: CN2.A8 CN2.B8 CN2.D LED3.2 U2.4 U4.1 U4.2 U4.3 U4.7 U4.8 U4.9 U4.15 U4.16 U4.17 U4.18 U4.23 U4.24 U4.25 U4.26 U4.37 U4.38 U4.39 U4.40 U4.41 U4.42 U4.43 U4.44 U4.45 U4.46 U4.47 U4.48 U4.51 U4.52 U4.53 U4.54 U4.57 U4.58 U4.59 U4.60 U4.61 U4.65 U4.66 U4.67 U4.77 U4.80 U4.81 U4.82 U4.84 U4.85 U4.88 U4.97 U4.98 U5.2 U5.3 U5.4 U5.9 U5.10 U5.11 U6.7 U6.8
copper on no net:
  other v3: 115.189,160 145.689,160 115.189,190.5 145.689,190.5

## Polygon pours and split planes (outlines as drawn)
VCC-3.3V#1 on MID1 "VCC-3.3V#1_L02_P000" (solid, remove dead copper, pour order 0): 111.811,203.697 111.811,147.701 154.508,147.701 154.508,203.719
GND on Top Layer "GND_L01_P024" (solid, pour order 24): 107.848,207.645 107.848,142.875 157.658,142.875 157.658,207.645
GND on Bottom Layer "GND_L04_P025" (solid, pour order 25): 107.848,207.645 107.848,142.875 157.658,142.875 157.658,207.645
GND on MID2 "GND_L03_P018" (solid, pour order 18): 107.848,207.645 107.848,142.875 157.658,142.875 157.658,207.645

## Silkscreen, mask and mechanical layers (free items; w line width, h text height)
Top Overlay:
  drawing of 178 lines, arcs and shapes, not listed
  text "UART1" at 119.177,196.758 h1.52 r180
  text "UART2" at 127.951,196.758 h1.52 r180
  text "UART3" at 136.734,196.758 h1.52 r180
  text "UART4" at 145.514,196.755 h1.52 r180
  text "UART5" at 154.305,196.755 h1.52 r180
  text "UART:R T + -" at 154.305,195.183 h1.52 r180
  text "GND" at 108.753,194.513 h1.52 r270
  text "VIN" at 110.236,194.182 h1.52 r270
  text "CH1" at 116.83,185.826 h1.52 r270
  text "S" at 114.859,181.677 h1.52
  text "G" at 114.808,180.229 h1.52
  text "CH2" at 116.83,179.595 h1.52 r270
  text "CZM" at 125.806,176.292 h1.52
  text "2024-1-21" at 125.729,174.742 h1.52
  text "CH3" at 116.832,173.363 h1.52 r270
  text "CH4" at 116.83,167.132 h1.52 r270
  text "V" at 109.119,160.731 h1.52
  text "S" at 109.144,159.502 h1.52
  text "G" at 109.068,158.105 h1.52
  text "SBUS" at 114.748,156.388 h1.52 r270
  text "3V3" at 145.915,152.552 h1.52 r270
  text "5V" at 148.25,152.095 h1.52 r270
  text "SWD" at 133.325,151.095 h1.52
  text "GND" at 140.853,143.612 h1.52 r90
  text "5V" at 142.219,143.612 h1.52 r90
  text "CLK" at 143.603,143.612 h1.52 r90
  text "DIO" at 144.987,143.612 h1.52 r90
Bottom Overlay:
  lines w0.203: 108.585,188.265 108.585,191.821 109.093,191.821 110.998,191.821 110.998,188.265 108.585,188.265 ; 114.478,168.199 116.586,168.199 116.586,173.888 114.478,173.888 114.478,168.199
  text "G" at 110.236,190.414 h1.52
  text "S" at 110.134,188.814 h1.52
  text "EX_CH2" at 117.441,182.397 h1.52 r270
  text "EX_CH1" at 117.441,176.098 h1.52 r270
  text "V" at 115.926,172.517 h1.52
  text "V" at 115.926,171.223 h1.52
  text "G" at 115.936,169.897 h1.52
  text "G" at 115.936,168.57 h1.52
  text "POWER_IN" at 117.491,167.665 h1.52 r270
Mechanical 1:
  lines w0.203: 107.823,207.645 107.823,196.215 107.823,170.561 107.823,142.875 157.689,142.875 157.689,160.877 ; 107.843,207.645 157.689,207.645 157.689,195.346 157.689,189.636 157.689,160.877 ; 157.696,160.877 157.689,160.877